# KiCad board Motherboard.kicad_pcb
title: WolfNet 6502 WBC - Motherboard; date: 2026-AUG-31; rev: 2.8; company: WolfNet Computing C.I.C.; note: Motherboard for the WolfNet 65C02-based WorkBench Computer.; note: CODENAME: WOLF-1
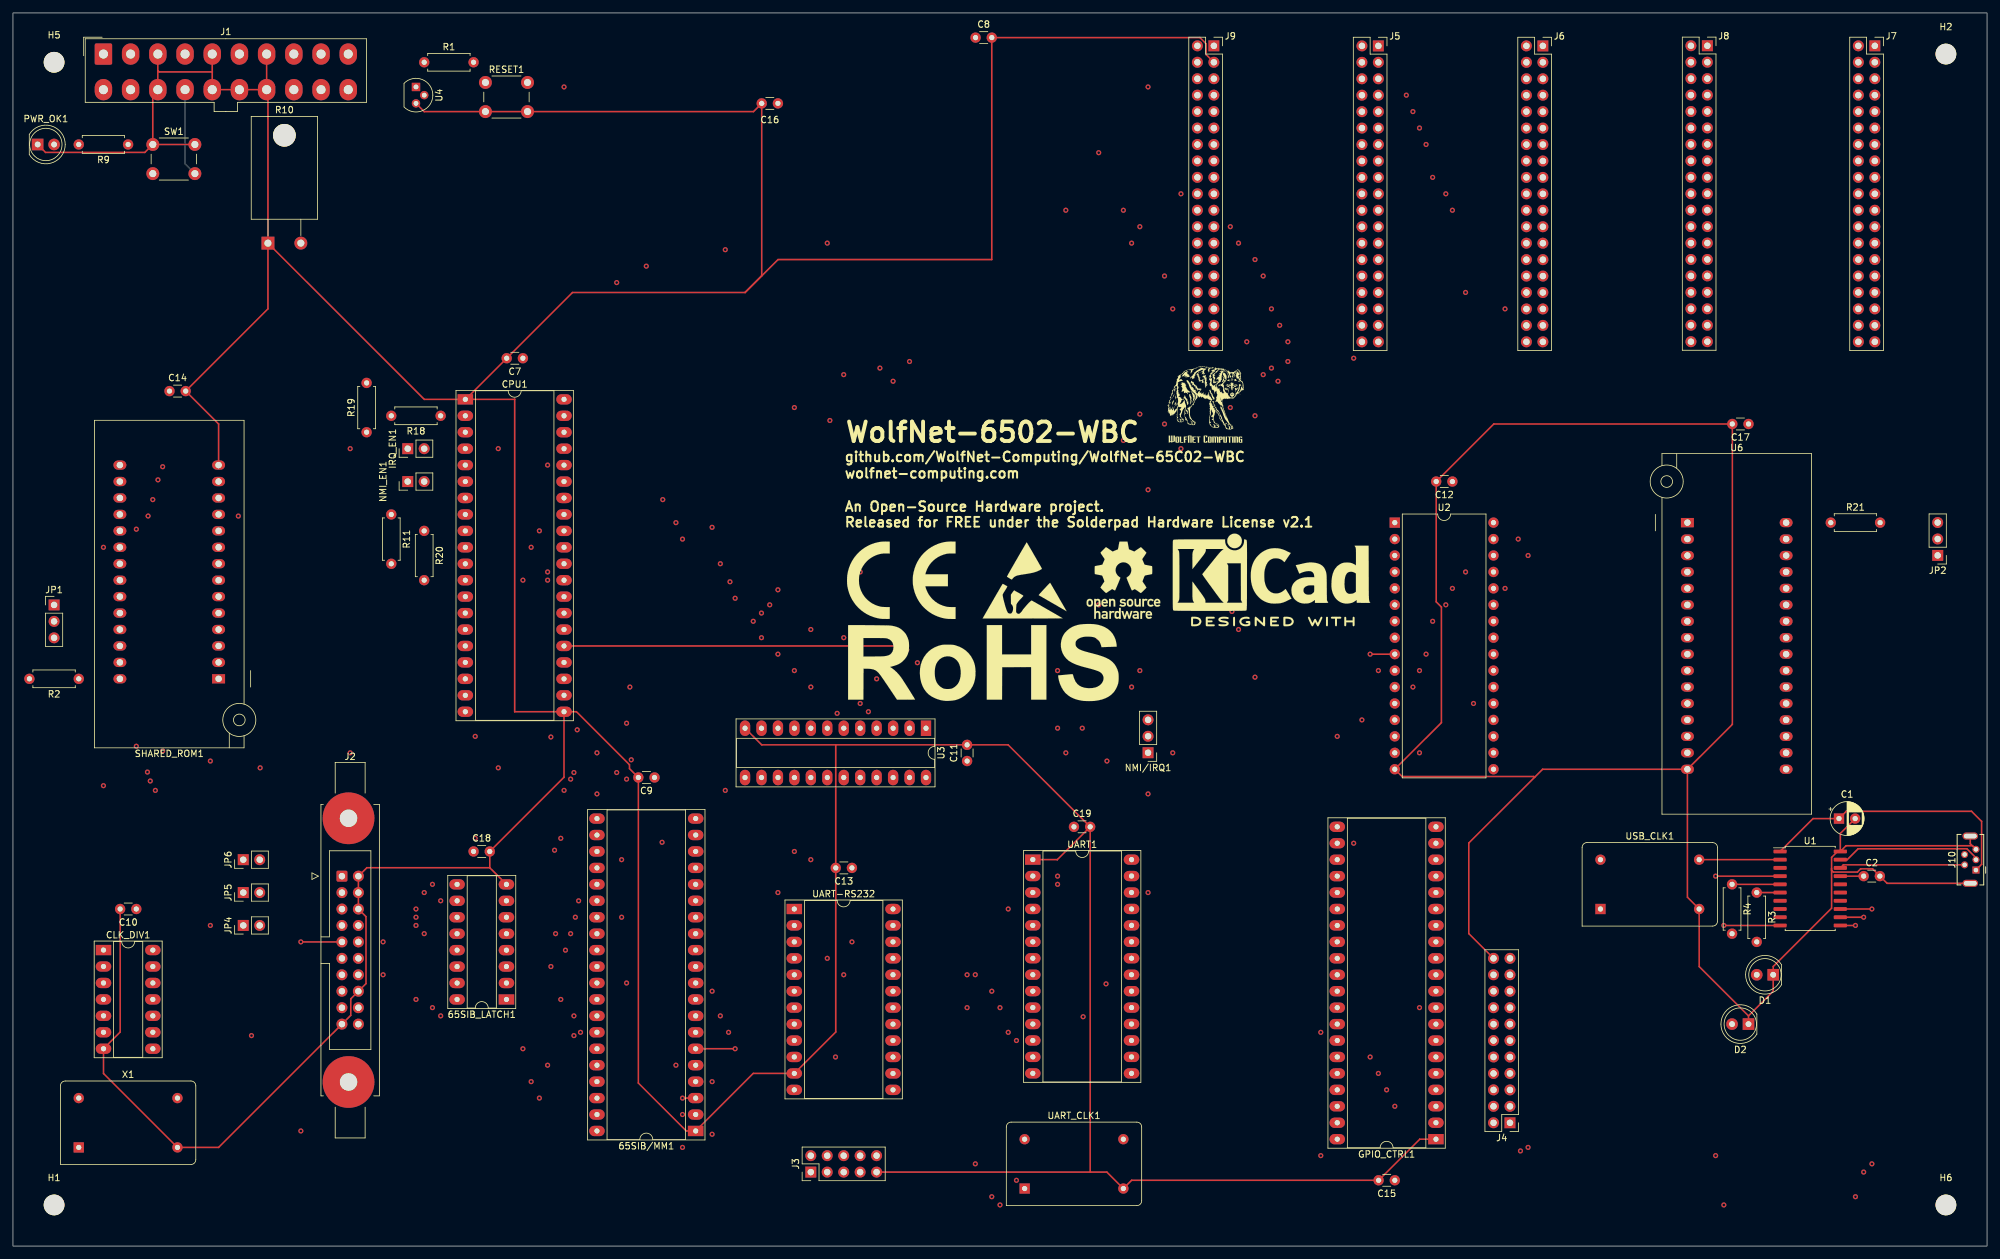
[diagram p0: board, top side]
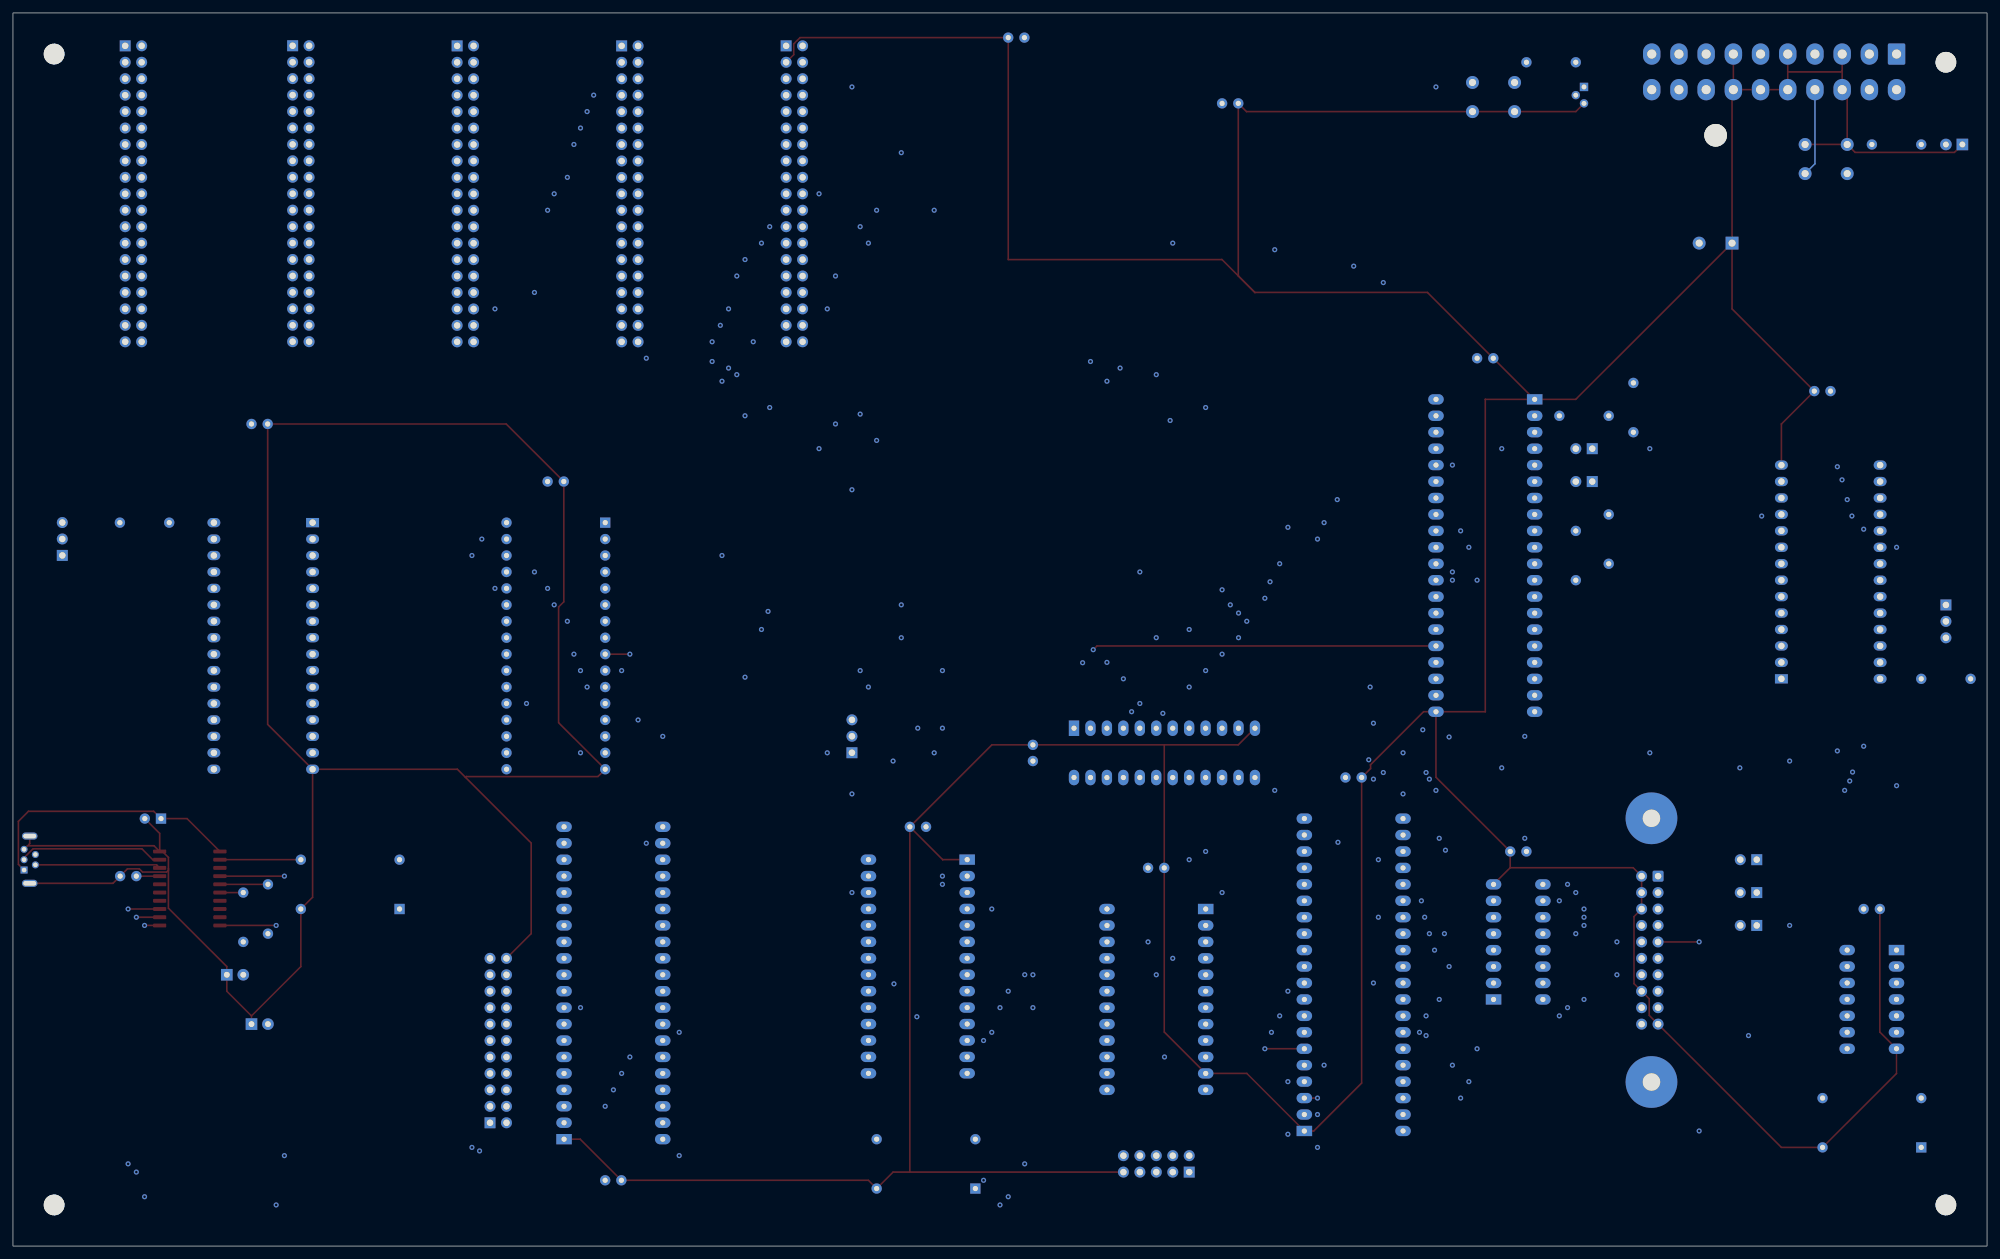
[diagram p1: board, bottom side, seen from below]

Outline 304.8 x 190.5 mm; copper layers: GND1.Cu (plane), VCC.Cu, V1.Cu, H1.Cu, V2.Cu, H2.Cu, 12v.Cu, GND2.Cu (plane). Coordinates in mm from the lower left corner of the outline.
Outline path: rectangle 0,190.5 304.8,0
Stack: GND1.Cu 0.035mm / dielectric 0.1857mm PTFE er 2.1 / VCC.Cu 0.035mm / dielectric 0.1857mm PTFE er 2.1 / V1.Cu 0.035mm / dielectric 0.1857mm PTFE er 2.1 / H1.Cu 0.035mm / dielectric 0.1857mm PTFE er 2.1 / V2.Cu 0.035mm / dielectric 0.1857mm PTFE er 2.1 / H2.Cu 0.035mm / dielectric 0.1857mm PTFE er 2.1 / 12v.Cu 0.035mm / dielectric 0.1857mm PTFE er 2.1 / GND2.Cu 0.035mm

## Placement (name value [footprint] x y rotation side)
65SIB/MM1  WD65C22N  [DIP-40_W15.24mm_Socket_LongPads]  105.41 17.78 180 top
65SIB_LATCH1  74HCT137  [DIP-16_W7.62mm_Socket_LongPads]  76.2 38.09 180 top
C1  C_Polarized  [CP_Radial_D5.0mm_P2.50mm]  281.94 66.04 0 top
C2  C  [C_Disc_D3.0mm_W1.6mm_P2.50mm]  285.75 57.15 0 top
C7  100 nF  [C_Disc_D3.0mm_W1.6mm_P2.50mm]  78.73 137.16 180 top
C8  100 nF  [C_Disc_D3.0mm_W1.6mm_P2.50mm]  148.63 186.69 0 top
C9  100 nF  [C_Disc_D3.0mm_W1.6mm_P2.50mm]  99.06 72.39 180 top
C10  100 nF  [C_Disc_D3.0mm_W1.6mm_P2.50mm]  19.05 52.07 180 top
C11  100 nF  [C_Disc_D3.0mm_W1.6mm_P2.50mm]  147.32 74.93 90 top
C12  100 nF  [C_Disc_D3.0mm_W1.6mm_P2.50mm]  222.25 118.11 180 top
C13  100 nF  [C_Disc_D3.0mm_W1.6mm_P2.50mm]  129.54 58.42 180 top
C14  100 nF  [C_Disc_D3.0mm_W1.6mm_P2.50mm]  24.17 132.08 0 top
C15  100 nF  [C_Disc_D3.0mm_W1.6mm_P2.50mm]  213.36 10.16 180 top
C16  100 nF  [C_Disc_D3.0mm_W1.6mm_P2.50mm]  118.11 176.53 180 top
C17  100 nF  [C_Disc_D3.0mm_W1.6mm_P2.50mm]  267.97 127 180 top
C18  100 nF  [C_Disc_D3.0mm_W1.6mm_P2.50mm]  71.12 60.96 0 top
C19  100 nF  [C_Disc_D3.0mm_W1.6mm_P2.50mm]  163.82 64.77 0 top
CLK_DIV1  74HCT74  [DIP-14_W7.62mm_Socket_LongPads]  13.98 45.72 0 top
CPU1  WD65C02  [DIP-40_W15.24mm_Socket_LongPads]  69.84 130.81 0 top
D1  LED  [LED_D5.0mm]  271.78 41.91 180 top
D2  LED  [LED_D5.0mm]  267.97 34.29 180 top
G***  LOGO  [WolfNet-Logo_silkscreen]  184.15 129.54 0 top
GPIO_CTRL1  WD65C22N  [DIP-40_W15.24mm_Socket_LongPads]  219.71 16.51 180 top
H1  MountingHole  [MountingHole_3.2mm_M3]  6.35 6.35 0 top
H2  MountingHole  [MountingHole_3.2mm_M3]  298.45 184.15 0 top
H5  MountingHole  [MountingHole_3.2mm_M3]  6.35 182.88 0 top
H6  MountingHole  [MountingHole_3.2mm_M3]  298.45 6.35 0 top
IRQ_EN1  IRQ_EN  [PinHeader_1x02_P2.54mm_Vertical]  60.95 123.19 90 top
J1  ATX-20  [Molex_Mini-Fit_Jr_5566-20A_2x10_P4.20mm_Vertical]  13.97 184.15 0 top
J2  65SIB_Connector  [IDC-Header_2x10-1MP_P2.54mm_Latch6.5mm_Vertical]  50.8 57.15 0 top
J3  -  [DB9_Header]  123.19 11.43 90 top
J4  GPIO_Connector  [PinHeader_2x11_P2.54mm_Vertical]  231.14 19.05 180 top
J5  Expansion_Connector  [Expansion_Connector_Motherboard]  210.82 185.41 0 top
J6  Expansion_Connector  [Expansion_Connector_Motherboard]  236.22 185.41 0 top
J7  Expansion_Connector  [Expansion_Connector_Motherboard]  287.47 185.42 0 top
J8  Expansion_Connector  [Expansion_Connector_Motherboard]  261.62 185.44 0 top
J9  Expansion_Connector  [Expansion_Connector_Motherboard]  185.42 185.42 0 top
J10  USB_B_Mini  [USB_Mini-B_Tensility_54-00023_Vertical]  303.08 58.09 90 top
JP1  Jumper_3_Bridged12  [PinHeader_1x03_P2.54mm_Vertical]  6.35 99.05 0 top
JP2  Jumper_3_Bridged12  [PinHeader_1x03_P2.54mm_Vertical]  297.18 106.7 180 top
JP4  CLK/1  [PinHeader_1x02_P2.54mm_Vertical]  35.56 49.53 90 top
JP5  CLK/2  [PinHeader_1x02_P2.54mm_Vertical]  35.56 54.61 90 top
JP6  CLK/4  [PinHeader_1x02_P2.54mm_Vertical]  35.56 59.69 90 top
NMI/IRQ1  SW  [PinHeader_1x03_P2.54mm_Vertical]  175.26 76.22 180 top
NMI_EN1  NMI_EN  [PinHeader_1x02_P2.54mm_Vertical]  60.95 118.11 90 top
PWR_OK1  LED  [LED_D5.0mm]  3.81 170.18 0 top
R1  3.3k  [R_Axial_DIN0207_L6.3mm_D2.5mm_P7.62mm_Horizontal]  63.5 182.88 0 top
R2  3.3k Ω  [R_Axial_DIN0207_L6.3mm_D2.5mm_P7.62mm_Horizontal]  10.16 87.63 180 top
R3  220  [R_Axial_DIN0207_L6.3mm_D2.5mm_P7.62mm_Horizontal]  269.24 54.61 270 top
R4  220  [R_Axial_DIN0207_L6.3mm_D2.5mm_P7.62mm_Horizontal]  265.43 55.88 270 top
R9  220 Ω  [R_Axial_DIN0207_L6.3mm_D2.5mm_P7.62mm_Horizontal]  17.78 170.18 180 top
R10  PWR220T-20-5R00J  [TO-220-2_Horizontal_TabDown]  39.37 154.94 0 top
R11  3.3k Ω  [R_Axial_DIN0207_L6.3mm_D2.5mm_P7.62mm_Horizontal]  58.42 113.03 270 top
R18  3.3k Ω  [R_Axial_DIN0207_L6.3mm_D2.5mm_P7.62mm_Horizontal]  66.03 128.26 180 top
R19  3.3k Ω  [R_Axial_DIN0207_L6.3mm_D2.5mm_P7.62mm_Horizontal]  54.61 125.73 90 top
R20  3.3k Ω  [R_Axial_DIN0207_L6.3mm_D2.5mm_P7.62mm_Horizontal]  63.5 110.48 270 top
R21  3.3k Ω  [R_Axial_DIN0207_L6.3mm_D2.5mm_P7.62mm_Horizontal]  280.67 111.76 0 top
REF**  -  [CE-Logo_16.8x12mm_SilkScreen]  137.16 102.87 0 top
REF**#2  -  [OSHW-Logo_11.4x12mm_SilkScreen]  171.45 102.87 0 top
REF**#3  -  [RoHS-Logo_12mm_SilkScreen]  149.86 90.17 0 top
REF**#4  -  [KiCad-Logo2_12mm_SilkScreen]  194.31 104.14 0 top
REF**#5  -  [ESD-Logo_13.2x12mm_SilkScreen]  156.21 102.87 0 top
RESET1  PROCESSOR RESET  [SW_PUSH_6mm_H4.3mm]  72.95 179.76 0 top
SHARED_ROM1  28C64  [DIP_Socket-28_W11.9_W12.7_W15.24_W17.78_W18.5_3M_228-1277-00-0602J]  31.75 87.63 180 top
SW1  SW_Push  [SW_PUSH_6mm]  21.59 170.18 0 top
U1  MCP2200-I-SO  [SOIC-20W_7.5x12.8mm_P1.27mm]  277.5 55.25 0 top
U2  AS6C4008-55PCN  [DIP-32_W15.24mm]  213.35 111.76 0 top
U3  ATF22V10C  [DIP-24_W7.62mm_Socket_LongPads]  140.97 80 270 top
U4  DS1813  [TO-92]  62.23 179.07 270 top
U6  28C010  [DIP_Socket-32_W11.9_W12.7_W15.24_W17.78_W18.5_3M_232-1285-00-0602J]  258.54 111.76 0 top
UART1  W65C51  [DIP-28_W15.24mm_Socket_LongPads]  157.47 59.7 0 top
UART-RS232  MAX235  [DIP-24_W15.24mm_Socket_LongPads]  120.64 52.07 0 top
UART_CLK1  ACO-1.8432MHz  [Oscillator_DIP-14]  156.2 8.89 0 top
USB_CLK1  ACO-12MHz  [Oscillator_DIP-14]  245.11 52.07 0 top
X1  ACO-8MHz  [Oscillator_DIP-14]  10.16 15.24 0 top

## Library data of the parts
65SIB_LATCH1 = -: Datasheet: http://www.ti.com/lit/ds/symlink/cd74hc237.pdf; ki_fp_filters: DIP*W7.62mm* SOIC*3.9x9.9mm*P1.27mm* SSOP*5.3x6.2mm*P0.65mm*
C1 = -: ki_fp_filters: CP_*
C2 C7-C19 = -: ki_fp_filters: C_*
CLK_DIV1 = -: Datasheet: 74xx/74hc_hct74.pdf; ki_fp_filters: DIP*W7.62mm*
D1 D2 PWR_OK1 = -: ki_fp_filters: LED* LED_SMD:* LED_THT:*
H1 H2 H5 H6 = -: ki_fp_filters: MountingHole*
IRQ_EN1 JP4-JP6 NMI_EN1 = -: ki_fp_filters: Jumper* TestPoint*2Pads* TestPoint*Bridge*
J1 = -: Datasheet: https://web.aub.edu.lb/pub/docs/atx_201.pdf#page=20; ki_fp_filters: *Mini?Fit*2x10*Vertical* *Mini?Fit*2x10*Horizontal*
J2 J4-J9 = -: ki_fp_filters: Connector*:*_2x??_*
J3 = -: ki_fp_filters: DSUB*Male*
J10 = -: ki_fp_filters: USB*
JP1 JP2 NMI/IRQ1 = -: ki_fp_filters: Jumper* TestPoint*3Pads* TestPoint*Bridge*
R1-R4 R9-R11 R18-R21 = -: ki_fp_filters: R_*
SHARED_ROM1 = -: Datasheet: http://ww1.microchip.com/downloads/en/devicedoc/doc0001h.pdf; ki_fp_filters: DIP*W15.24mm* SOIC*7.5x17.9mm*P1.27mm*
U1 = -: Datasheet: http://ww1.microchip.com/downloads/en/DeviceDoc/200022228D.pdf; ki_fp_filters: SOIC*20*7.5x12.8mm*P1.27mm*
U2 = -: Datasheet: https://www.alliancememory.com/wp-content/uploads/pdf/AS6C4008.pdf; ki_fp_filters: DIP*W15.24mm*
U6 = -: Datasheet: https://ww1.microchip.com/downloads/en/DeviceDoc/20006331A.pdf; ki_fp_filters: DIP*W15.24mm* SOIC*7.5x17.9mm*P1.27mm*
UART-RS232 = -: Datasheet: http://www.ti.com/lit/ds/symlink/max232.pdf; ki_fp_filters: SOIC*P1.27mm* DIP*W7.62mm* TSSOP*4.4x5mm*P0.65mm*
UART_CLK1 USB_CLK1 X1 = -: Datasheet: http://www.conwin.com/datasheets/cx/cx030.pdf; ki_fp_filters: Oscillator*DIP*14*

## Footprints (pads in the part's own frame, mm; a bottom-side part is the same pattern mirrored in y, then rotated)
C_Disc_D3.0mm_W1.6mm_P2.50mm
  round 1.6 hole 0.8: 1(0,0) 2(2.5,0)
CP_Radial_D5.0mm_P2.50mm
  rect 1.6x1.6 hole 0.8: 1(0,0)
  round 1.6 hole 0.8: 2(2.5,0)
DB9_Header
  rect 1.7x1.7 hole 1: 1(0,0)
  oval 1.7x1.7 hole 1: 2(2.54,0) 3(0,-2.54) 4(2.54,-2.54) 5(0,-5.08) 6(2.54,-5.08) 7(0,-7.62) 8(2.54,-7.62) 9(0,-10.16)
  round 1.7 hole 1: 10(2.54,-10.16)
DIP-14_W7.62mm_Socket_LongPads
  rect 2.4x1.6 hole 0.8: 1(0,0)
  oval 2.4x1.6 hole 0.8: 2(0,-2.54) 3(0,-5.08) 4(0,-7.62) 5(0,-10.16) 6(0,-12.7) 7(0,-15.24) 8(7.62,-15.24) 9(7.62,-12.7) 10(7.62,-10.16) 11(7.62,-7.62) 12(7.62,-5.08) 13(7.62,-2.54) 14(7.62,0)
DIP-16_W7.62mm_Socket_LongPads
  rect 2.4x1.6 hole 0.8: 1(0,0)
  oval 2.4x1.6 hole 0.8: 2(0,-2.54) 3(0,-5.08) 4(0,-7.62) 5(0,-10.16) 6(0,-12.7) 7(0,-15.24) 8(0,-17.78) 9(7.62,-17.78) 10(7.62,-15.24) 11(7.62,-12.7) 12(7.62,-10.16) 13(7.62,-7.62) 14(7.62,-5.08) 15(7.62,-2.54) 16(7.62,0)
DIP-24_W7.62mm_Socket_LongPads
  rect 2.4x1.6 hole 0.8: 1(0,0)
  oval 2.4x1.6 hole 0.8: 2(0,-2.54) 3(0,-5.08) 4(0,-7.62) 5(0,-10.16) 6(0,-12.7) 7(0,-15.24) 8(0,-17.78) 9(0,-20.32) 10(0,-22.86) 11(0,-25.4) 12(0,-27.94) 13(7.62,-27.94) 14(7.62,-25.4) 15(7.62,-22.86) 16(7.62,-20.32) 17(7.62,-17.78) 18(7.62,-15.24) 19(7.62,-12.7) 20(7.62,-10.16) 21(7.62,-7.62) 22(7.62,-5.08) 23(7.62,-2.54) 24(7.62,0)
DIP-24_W15.24mm_Socket_LongPads
  rect 2.4x1.6 hole 0.8: 1(0,0)
  oval 2.4x1.6 hole 0.8: 2(0,-2.54) 3(0,-5.08) 4(0,-7.62) 5(0,-10.16) 6(0,-12.7) 7(0,-15.24) 8(0,-17.78) 9(0,-20.32) 10(0,-22.86) 11(0,-25.4) 12(0,-27.94) 13(15.24,-27.94) 14(15.24,-25.4) 15(15.24,-22.86) 16(15.24,-20.32) 17(15.24,-17.78) 18(15.24,-15.24) 19(15.24,-12.7) 20(15.24,-10.16) 21(15.24,-7.62) 22(15.24,-5.08) 23(15.24,-2.54) 24(15.24,0)
DIP-28_W15.24mm_Socket_LongPads
  rect 2.4x1.6 hole 0.8: 1(0,0)
  oval 2.4x1.6 hole 0.8: 2(0,-2.54) 3(0,-5.08) 4(0,-7.62) 5(0,-10.16) 6(0,-12.7) 7(0,-15.24) 8(0,-17.78) 9(0,-20.32) 10(0,-22.86) 11(0,-25.4) 12(0,-27.94) 13(0,-30.48) 14(0,-33.02) 15(15.24,-33.02) 16(15.24,-30.48) 17(15.24,-27.94) 18(15.24,-25.4) 19(15.24,-22.86) 20(15.24,-20.32) 21(15.24,-17.78) 22(15.24,-15.24) 23(15.24,-12.7) 24(15.24,-10.16) 25(15.24,-7.62) 26(15.24,-5.08) 27(15.24,-2.54) 28(15.24,0)
DIP-32_W15.24mm
  rect 1.6x1.6 hole 0.8: 1(0,0)
  oval 1.6x1.6 hole 0.8: 2(0,-2.54) 3(0,-5.08) 4(0,-7.62) 5(0,-10.16) 6(0,-12.7) 7(0,-15.24) 8(0,-17.78) 9(0,-20.32) 10(0,-22.86) 11(0,-25.4) 12(0,-27.94) 13(0,-30.48) 14(0,-33.02) 15(0,-35.56) 16(0,-38.1) 17(15.24,-38.1) 18(15.24,-35.56) 19(15.24,-33.02) 20(15.24,-30.48) 21(15.24,-27.94) 22(15.24,-25.4) 23(15.24,-22.86) 24(15.24,-20.32) 25(15.24,-17.78) 26(15.24,-15.24) 27(15.24,-12.7) 28(15.24,-10.16) 29(15.24,-7.62) 30(15.24,-5.08) 31(15.24,-2.54) 32(15.24,0)
DIP-40_W15.24mm_Socket_LongPads
  rect 2.4x1.6 hole 0.8: 1(0,0)
  oval 2.4x1.6 hole 0.8: 2(0,-2.54) 3(0,-5.08) 4(0,-7.62) 5(0,-10.16) 6(0,-12.7) 7(0,-15.24) 8(0,-17.78) 9(0,-20.32) 10(0,-22.86) 11(0,-25.4) 12(0,-27.94) 13(0,-30.48) 14(0,-33.02) 15(0,-35.56) 16(0,-38.1) 17(0,-40.64) 18(0,-43.18) 19(0,-45.72) 20(0,-48.26) 21(15.24,-48.26) 22(15.24,-45.72) 23(15.24,-43.18) 24(15.24,-40.64) 25(15.24,-38.1) 26(15.24,-35.56) 27(15.24,-33.02) 28(15.24,-30.48) 29(15.24,-27.94) 30(15.24,-25.4) 31(15.24,-22.86) 32(15.24,-20.32) 33(15.24,-17.78) 34(15.24,-15.24) 35(15.24,-12.7) 36(15.24,-10.16) 37(15.24,-7.62) 38(15.24,-5.08) 39(15.24,-2.54) 40(15.24,0)
DIP_Socket-28_W11.9_W12.7_W15.24_W17.78_W18.5_3M_228-1277-00-0602J
  rect 2x1.44 hole 1: 1(0,0)
  oval 2x1.44 hole 1: 2(0,-2.54) 3(0,-5.08) 4(0,-7.62) 5(0,-10.16) 6(0,-12.7) 7(0,-15.24) 8(0,-17.78) 9(0,-20.32) 10(0,-22.86) 11(0,-25.4) 12(0,-27.94) 13(0,-30.48) 14(0,-33.02) 15(15.24,-33.02) 16(15.24,-30.48) 17(15.24,-27.94) 18(15.24,-25.4) 19(15.24,-22.86) 20(15.24,-20.32) 21(15.24,-17.78) 22(15.24,-15.24) 23(15.24,-12.7) 24(15.24,-10.16) 25(15.24,-7.62) 26(15.24,-5.08) 27(15.24,-2.54) 28(15.24,0)
DIP_Socket-32_W11.9_W12.7_W15.24_W17.78_W18.5_3M_232-1285-00-0602J
  rect 2x1.44 hole 1: 1(0,0)
  oval 2x1.44 hole 1: 2(0,-2.54) 3(0,-5.08) 4(0,-7.62) 5(0,-10.16) 6(0,-12.7) 7(0,-15.24) 8(0,-17.78) 9(0,-20.32) 10(0,-22.86) 11(0,-25.4) 12(0,-27.94) 13(0,-30.48) 14(0,-33.02) 15(0,-35.56) 16(0,-38.1) 17(15.24,-38.1) 18(15.24,-35.56) 19(15.24,-33.02) 20(15.24,-30.48) 21(15.24,-27.94) 22(15.24,-25.4) 23(15.24,-22.86) 24(15.24,-20.32) 25(15.24,-17.78) 26(15.24,-15.24) 27(15.24,-12.7) 28(15.24,-10.16) 29(15.24,-7.62) 30(15.24,-5.08) 31(15.24,-2.54) 32(15.24,0)
Expansion_Connector_Motherboard
  rect 1.7x1.7 hole 1: 1(0,0)
  oval 1.7x1.7 hole 1: 2(-2.54,0) 3(0,-2.54) 4(-2.54,-2.54) 5(0,-5.08) 6(-2.54,-5.08) 7(0,-7.62) 8(-2.54,-7.62) 9(0,-10.16) 10(-2.54,-10.16) 11(0,-12.7) 12(-2.54,-12.7) 13(0,-15.24) 14(-2.54,-15.24) 15(0,-17.78) 16(-2.54,-17.78) 17(0,-20.32) 18(-2.54,-20.32) 19(0,-22.86) 20(-2.54,-22.86) 21(0,-25.4) 22(-2.54,-25.4) 23(0,-27.94) 24(-2.54,-27.94) 25(0,-30.48) 26(-2.54,-30.48) 27(0,-33.02) 28(-2.54,-33.02) 29(0,-35.56) 30(-2.54,-35.56) 31(0,-38.1) 32(-2.54,-38.1) 33(0,-40.64) 34(-2.54,-40.64) 35(0,-43.18) 36(-2.54,-43.18) 37(0,-45.72) 38(-2.54,-45.72)
IDC-Header_2x10-1MP_P2.54mm_Latch6.5mm_Vertical
  rrect 1.7x1.7 hole 1: 1(0,0)
  round 1.7 hole 1: 2(2.54,0) 3(0,-2.54) 4(2.54,-2.54) 5(0,-5.08) 6(2.54,-5.08) 7(0,-7.62) 8(2.54,-7.62) 9(0,-10.16) 10(2.54,-10.16) 11(0,-12.7) 12(2.54,-12.7) 13(0,-15.24) 14(2.54,-15.24) 15(0,-17.78) 16(2.54,-17.78) 17(0,-20.32) 18(2.54,-20.32) 19(0,-22.86) 20(2.54,-22.86)
  round 8 hole 2.69: MP(1.02,8.94) MP(1.02,-31.8)
LED_D5.0mm
  rect 1.8x1.8 hole 0.9: 1(0,0)
  round 1.8 hole 0.9: 2(2.54,0)
Molex_Mini-Fit_Jr_5566-20A_2x10_P4.20mm_Vertical
  rrect 2.7x3.3 hole 1.4: 1(0,0)
  oval 2.7x3.3 hole 1.4: 2(4.2,0) 3(8.4,0) 4(12.6,0) 5(16.8,0) 6(21,0) 7(25.2,0) 8(29.4,0) 9(33.6,0) 10(37.8,0) 11(0,-5.5) 12(4.2,-5.5) 13(8.4,-5.5) 14(12.6,-5.5) 15(16.8,-5.5) 16(21,-5.5) 17(25.2,-5.5) 18(29.4,-5.5) 19(33.6,-5.5) 20(37.8,-5.5)
MountingHole_3.2mm_M3
  round 3.2 hole 3.2 unplated: (0,0)
Oscillator_DIP-14
  rect 1.6x1.6 hole 0.8: 1(0,0)
  round 1.6 hole 0.8: 7(15.24,0) 8(15.24,7.62) 14(0,7.62)
PinHeader_1x02_P2.54mm_Vertical
  rect 1.7x1.7 hole 1: 1(0,0)
  oval 1.7x1.7 hole 1: 2(0,-2.54)
PinHeader_1x03_P2.54mm_Vertical
  rect 1.7x1.7 hole 1: 1(0,0)
  oval 1.7x1.7 hole 1: 2(0,-2.54) 3(0,-5.08)
PinHeader_2x11_P2.54mm_Vertical
  rect 1.7x1.7 hole 1: 1(0,0)
  oval 1.7x1.7 hole 1: 2(2.54,0) 3(0,-2.54) 4(2.54,-2.54) 5(0,-5.08) 6(2.54,-5.08) 7(0,-7.62) 8(2.54,-7.62) 9(0,-10.16) 10(2.54,-10.16) 11(0,-12.7) 12(2.54,-12.7) 13(0,-15.24) 14(2.54,-15.24) 15(0,-17.78) 16(2.54,-17.78) 17(0,-20.32) 18(2.54,-20.32) 19(0,-22.86) 20(2.54,-22.86) 21(0,-25.4) 22(2.54,-25.4)
R_Axial_DIN0207_L6.3mm_D2.5mm_P7.62mm_Horizontal
  round 1.6 hole 0.8: 1(0,0)
  oval 1.6x1.6 hole 0.8: 2(7.62,0)
SOIC-20W_7.5x12.8mm_P1.27mm
  rrect 2.05x0.6 smd: 1(-4.65,5.715) 2(-4.65,4.445) 3(-4.65,3.175) 4(-4.65,1.905) 5(-4.65,0.635) 6(-4.65,-0.635) 7(-4.65,-1.905) 8(-4.65,-3.175) 9(-4.65,-4.445) 10(-4.65,-5.715) 11(4.65,-5.715) 12(4.65,-4.445) 13(4.65,-3.175) 14(4.65,-1.905) 15(4.65,-0.635) 16(4.65,0.635) 17(4.65,1.905) 18(4.65,3.175) 19(4.65,4.445) 20(4.65,5.715)
SW_PUSH_6mm
  round 2 hole 1.1: 1(0,0) 1(6.5,0) 2(0,-4.5) 2(6.5,-4.5)
SW_PUSH_6mm_H4.3mm
  round 2 hole 1.1: 1(0,0) 1(6.5,0) 2(0,-4.5) 2(6.5,-4.5)
TO-92
  rect 1.3x1.3 hole 0.75: 1(0,0)
  round 1.3 hole 0.75: 2(1.27,1.27) 3(2.54,0)
TO-220-2_Horizontal_TabDown
  oval 3.5x3.5 hole 3.5 unplated: (2.54,16.66)
  rect 2x2 hole 1.1: 1(0,0)
  oval 2x2 hole 1.1: 2(5.08,0)
USB_Mini-B_Tensility_54-00023_Vertical
  rect 1.1x1.1 hole 0.7: 1(0,0)
  round 1.1 hole 0.7: 2(0.8,1.75) 3(1.6,0) 4(2.4,1.75) 5(3.2,0)
  oval 1.1x2.4 hole 0.7x2: 6(-2.05,0.875) 6(5.25,0.875)

## Nets
+12v: J1.10 J2.8 J2.10 J5.36 J6.36 J7.36 J8.36 J9.36
-12v: J1.12 J2.13 J5.38 J6.38 J7.38 J8.38 J9.38
GND: 65SIB/MM1.1 65SIB_LATCH1.8 C1.2 C2.2 C7.2 C8.2 C9.2 C10.2 C11.2 C12.2 C13.2 C14.2 C15.2 C16.2 C17.2 C18.2 C19.2 CLK_DIV1.7 CPU1.1 CPU1.21 D1.1 D2.1 GPIO_CTRL1.1 J1.3 J1.5 J1.7 J1.13 J1.15 J1.16 J1.17 J2.2 J2.4 J2.6 J2.16 J2.19 J3.9 J4.22 J5.3 J6.3 J7.3 J8.3 J9.3 J10.5 J10.6 PWR_OK1.1 R10.1 RESET1.2 SHARED_ROM1.14 SW1.1 U1.20 U2.16 U3.12 U4.3 U6.16 UART1.1 UART-RS232.11 UART_CLK1.7 USB_CLK1.7 X1.7
VCC: 65SIB/MM1.20 65SIB/MM1.24 65SIB_LATCH1.6 65SIB_LATCH1.16 C7.1 C8.1 C9.1 C10.1 C11.1 C12.1 C13.1 C14.1 C15.1 C16.1 C17.1 C18.1 C19.1 CLK_DIV1.1 CLK_DIV1.4 CLK_DIV1.10 CLK_DIV1.13 CLK_DIV1.14 CPU1.8 CPU1.38 GPIO_CTRL1.20 GPIO_CTRL1.24 J1.4 J1.6 J1.19 J1.20 J4.1 J5.1 J6.1 J7.1 J8.1 J9.1 R1.1 R2.1 R10.2 R11.1 R18.2 R19.2 R20.2 R21.1 SHARED_ROM1.28 U2.32 U3.24 U4.2 U6.32 UART1.2 UART1.15 UART-RS232.12 UART_CLK1.14 USB_CLK1.14 X1.14
2MHz: CLK_DIV1.9 JP6.1
4MHz: CLK_DIV1.5 JP5.1
8MHz: CLK_DIV1.3 J5.26 J6.26 J7.26 J8.26 J9.26 JP4.1 X1.8
65SIB_CLK: 65SIB/MM1.17 J2.3
65SIB_MISO: 65SIB/MM1.16 J2.7
65SIB_MOSI: 65SIB/MM1.15 J2.5
A0: 65SIB/MM1.38 CPU1.9 GPIO_CTRL1.38 J5.5 J6.5 J7.5 J8.5 J9.5 SHARED_ROM1.10 U2.12 U6.12 UART1.13
A1: 65SIB/MM1.37 CPU1.10 GPIO_CTRL1.37 J5.7 J6.7 J7.7 J8.7 J9.7 SHARED_ROM1.9 U2.11 U6.11 UART1.14
A2: 65SIB/MM1.36 CPU1.11 GPIO_CTRL1.36 J5.9 J6.9 J7.9 J8.9 J9.9 SHARED_ROM1.8 U2.10 U6.10
A3: 65SIB/MM1.35 CPU1.12 GPIO_CTRL1.35 J5.11 J6.11 J7.11 J8.11 J9.11 SHARED_ROM1.7 U2.9 U6.9
A4: CPU1.13 J5.13 J6.13 J7.13 J8.13 J9.13 SHARED_ROM1.6 U2.8 U3.14 U6.8
A5: CPU1.14 J5.15 J6.15 J7.15 J8.15 J9.15 SHARED_ROM1.5 U2.7 U3.13 U6.7
A6: CPU1.15 J5.17 J6.17 J7.17 J8.17 J9.17 SHARED_ROM1.4 U2.6 U3.11 U6.6
A7: CPU1.16 J5.19 J6.19 J7.19 J8.19 J9.19 SHARED_ROM1.3 U2.5 U3.10 U6.5
A8: CPU1.17 J5.21 J6.21 J7.21 J8.21 J9.21 SHARED_ROM1.25 U2.27 U3.9 U6.27
A9: CPU1.18 J5.23 J6.23 J7.23 J8.23 J9.23 SHARED_ROM1.24 U2.26 U3.8 U6.26
A10: CPU1.19 J5.25 J6.25 J7.25 J8.25 J9.25 SHARED_ROM1.21 U2.23 U3.7 U6.23
A11: CPU1.20 J5.27 J6.27 J7.27 J8.27 J9.27 SHARED_ROM1.23 U2.25 U3.6 U6.25
A12: CPU1.22 J5.29 J6.29 J7.29 J8.29 J9.29 SHARED_ROM1.2 U2.4 U3.5 U6.4
A13: CPU1.23 J5.31 J6.31 J7.31 J8.31 J9.31 U2.28 U3.4
A14: CPU1.24 J5.33 J6.33 J7.33 J8.33 J9.33 U2.3 U3.3
A15: CPU1.25 J5.35 J6.35 J7.35 J8.35 J9.35 U3.2
CA1: GPIO_CTRL1.40 J4.18
CA2: GPIO_CTRL1.39 J4.19
CB1: GPIO_CTRL1.18 J4.20
CB2: GPIO_CTRL1.19 J4.21
CLK: CPU1.37 J5.20 J6.20 J7.20 J8.20 J9.20 JP4.2 JP5.2 JP6.2
CPU_D0: CPU1.33
CPU_D1: CPU1.32
CPU_D2: CPU1.31
CPU_D3: CPU1.30
CPU_D4: CPU1.29
CPU_D5: CPU1.28
CPU_D6: CPU1.27
CPU_D7: CPU1.26
GPIO0: GPIO_CTRL1.2 J4.2
GPIO1: GPIO_CTRL1.3 J4.3
GPIO2: GPIO_CTRL1.4 J4.4
GPIO3: GPIO_CTRL1.5 J4.5
GPIO4: GPIO_CTRL1.6 J4.6
GPIO5: GPIO_CTRL1.7 J4.7
GPIO6: GPIO_CTRL1.8 J4.8
GPIO7: GPIO_CTRL1.9 J4.9
GPIO8: GPIO_CTRL1.10 J4.10
GPIO9: GPIO_CTRL1.11 J4.11
GPIO10: GPIO_CTRL1.12 J4.12
GPIO11: GPIO_CTRL1.13 J4.13
GPIO12: GPIO_CTRL1.14 J4.14
GPIO13: GPIO_CTRL1.15 J4.15
GPIO14: GPIO_CTRL1.16 J4.16
GPIO15: GPIO_CTRL1.17 J4.17
MEM_D0: 65SIB/MM1.33 GPIO_CTRL1.33 J5.2 J6.2 J7.2 J8.2 J9.2 SHARED_ROM1.11 U2.13 U6.13 UART1.18
MEM_D1: 65SIB/MM1.32 GPIO_CTRL1.32 J5.4 J6.4 J7.4 J8.4 J9.4 SHARED_ROM1.12 U2.14 U6.14 UART1.19
MEM_D2: 65SIB/MM1.31 GPIO_CTRL1.31 J5.6 J6.6 J7.6 J8.6 J9.6 SHARED_ROM1.13 U2.15 U6.15 UART1.20
MEM_D3: 65SIB/MM1.30 GPIO_CTRL1.30 J5.8 J6.8 J7.8 J8.8 J9.8 SHARED_ROM1.15 U2.17 U6.17 UART1.21
MEM_D4: 65SIB/MM1.29 GPIO_CTRL1.29 J5.10 J6.10 J7.10 J8.10 J9.10 SHARED_ROM1.16 U2.18 U6.18 UART1.22
MEM_D5: 65SIB/MM1.28 GPIO_CTRL1.28 J5.12 J6.12 J7.12 J8.12 J9.12 SHARED_ROM1.17 U2.19 U6.19 UART1.23
MEM_D6: 65SIB/MM1.27 GPIO_CTRL1.27 J5.14 J6.14 J7.14 J8.14 J9.14 SHARED_ROM1.18 U2.20 U6.20 UART1.24
MEM_D7: 65SIB/MM1.26 GPIO_CTRL1.26 J5.16 J6.16 J7.16 J8.16 J9.16 SHARED_ROM1.19 U2.21 U6.21 UART1.25
PHI1: CPU1.3 J5.22 J6.22 J7.22 J8.22 J9.22
PHI2: 65SIB/MM1.25 CPU1.39 GPIO_CTRL1.25 J5.24 J6.24 J7.24 J8.24 J9.24 U3.1 UART1.27
R\~{W}: 65SIB/MM1.22 CPU1.34 GPIO_CTRL1.22 J5.37 J6.37 J7.37 J8.37 J9.37 U3.23 UART1.28
RAM1_EN: 65SIB/MM1.2 U2.31
RAM2_EN: 65SIB/MM1.3 U2.2
RAM3_EN: 65SIB/MM1.4 U2.30
RAM4_EN: 65SIB/MM1.5 U2.1
RDY: CPU1.2 J5.30 J6.30 J7.30 J8.30 J9.30 R18.1
ROM1_EN: 65SIB/MM1.6 U6.28
ROM2_EN: 65SIB/MM1.7 U6.29
ROM3_EN: 65SIB/MM1.8 U6.3
ROM4_EN: 65SIB/MM1.9 U6.2
Rx_COM: U1.12 UART1.12 UART-RS232.9
Rx_COM_PORT: J3.3 UART-RS232.10
SYNC: CPU1.7 J5.32 J6.32 J7.32 J8.32 J9.32
Tx_COM: U1.10 UART1.10 UART-RS232.8
Tx_COM_PORT: J3.5 UART-RS232.3
XTL1_COM: UART1.6 UART_CLK1.8
~{65SIB_IRQ}: 65SIB/MM1.40 J2.9
~{CONF}: 65SIB/MM1.14 J2.1
~{CS_65SIB}: 65SIB/MM1.23 65SIB_LATCH1.5 U3.17
~{CS_GPIO}: GPIO_CTRL1.23 U3.16
~{CS_RAM}: U2.22 U3.20
~{CS_ROM: U6.22
~{CS_ROM}: U3.19
~{CS_SHARED}: SHARED_ROM1.20 U3.18
~{CS_UART}: U3.15 UART1.3 UART-RS232.20
~{CTS_COM_PORT}: J3.6 UART-RS232.5
~{CTS_COM}: U1.11 UART1.9 UART-RS232.6
~{IRQ_DECIDE}: GPIO_CTRL1.21 NMI/IRQ1.2
~{IRQ}: 65SIB/MM1.21 IRQ_EN1.1 J5.34 J6.34 J7.34 J8.34 J9.34 NMI/IRQ1.1 UART1.26
~{NMI}: NMI/IRQ1.3 NMI_EN1.1
~{OE}: SHARED_ROM1.22 U2.24 U3.22 U6.24
~{RESET}: 65SIB/MM1.34 CPU1.40 GPIO_CTRL1.34 J5.18 J6.18 J7.18 J8.18 J9.18 R1.2 RESET1.1 U1.4 U4.1 UART1.4